# Altium PCB CL-AHU-V1.1.pcbdoc (part 1 of 5)
Units mil, origin at the board's own origin, x right, y up, seen from the top; angles counter-clockwise.
Board outline 12846.15 x 9153.85 mil, 2 copper layers (TopLayer, BottomLayer); 143 components, 181 nets, 607 pads, 3157 vias.
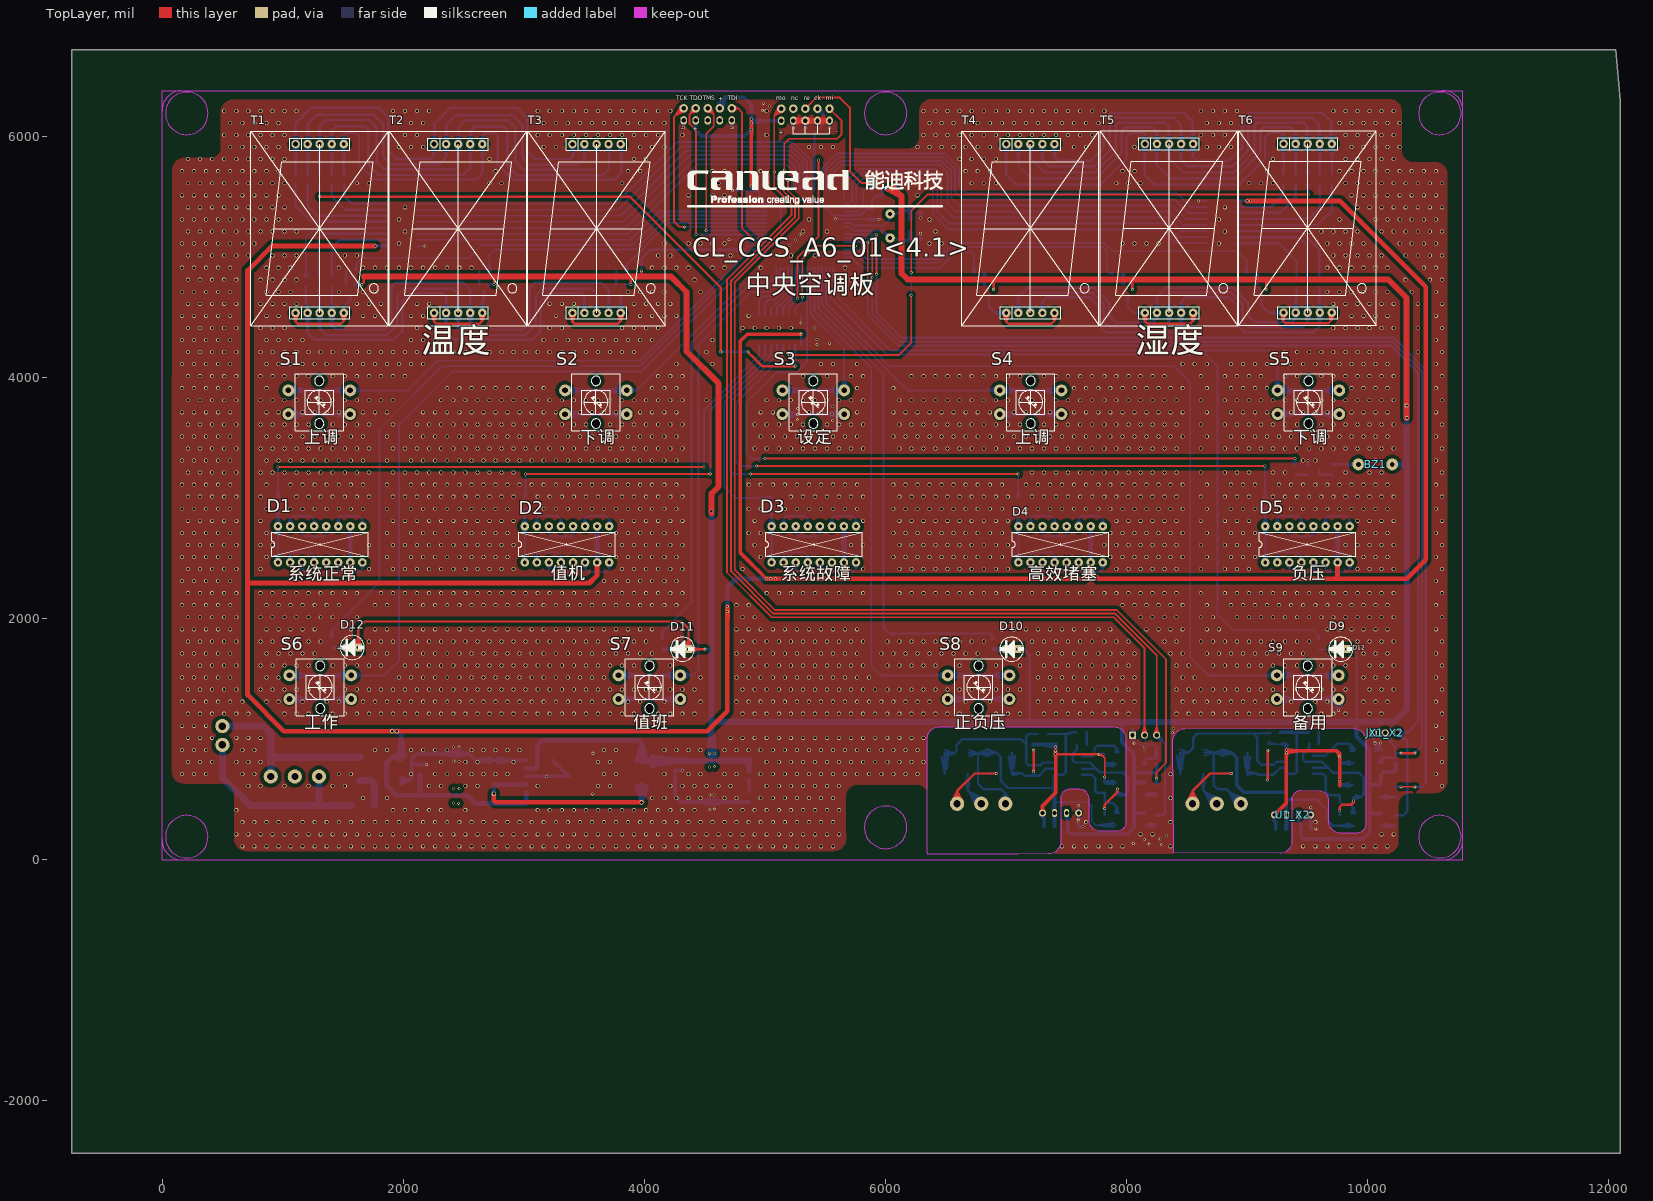
[diagram p0: TopLayer view]
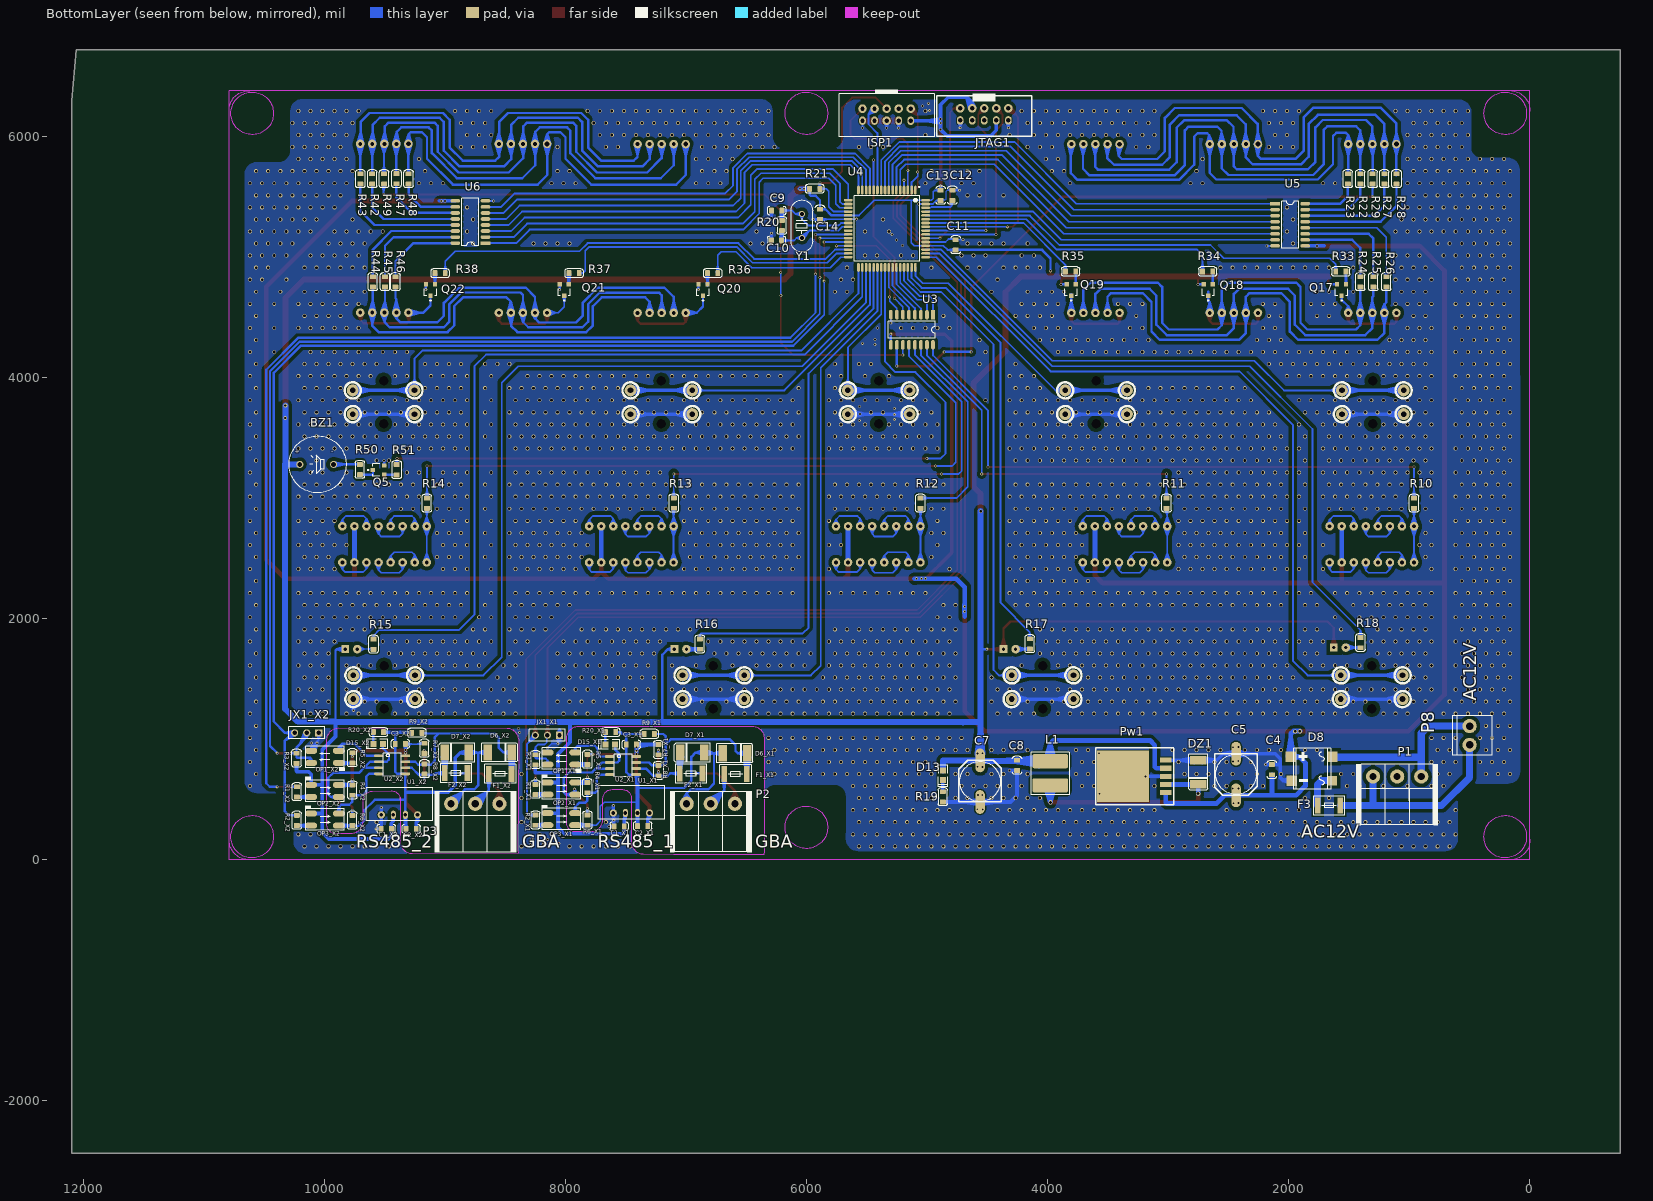
[diagram p1: BottomLayer view, seen from below]
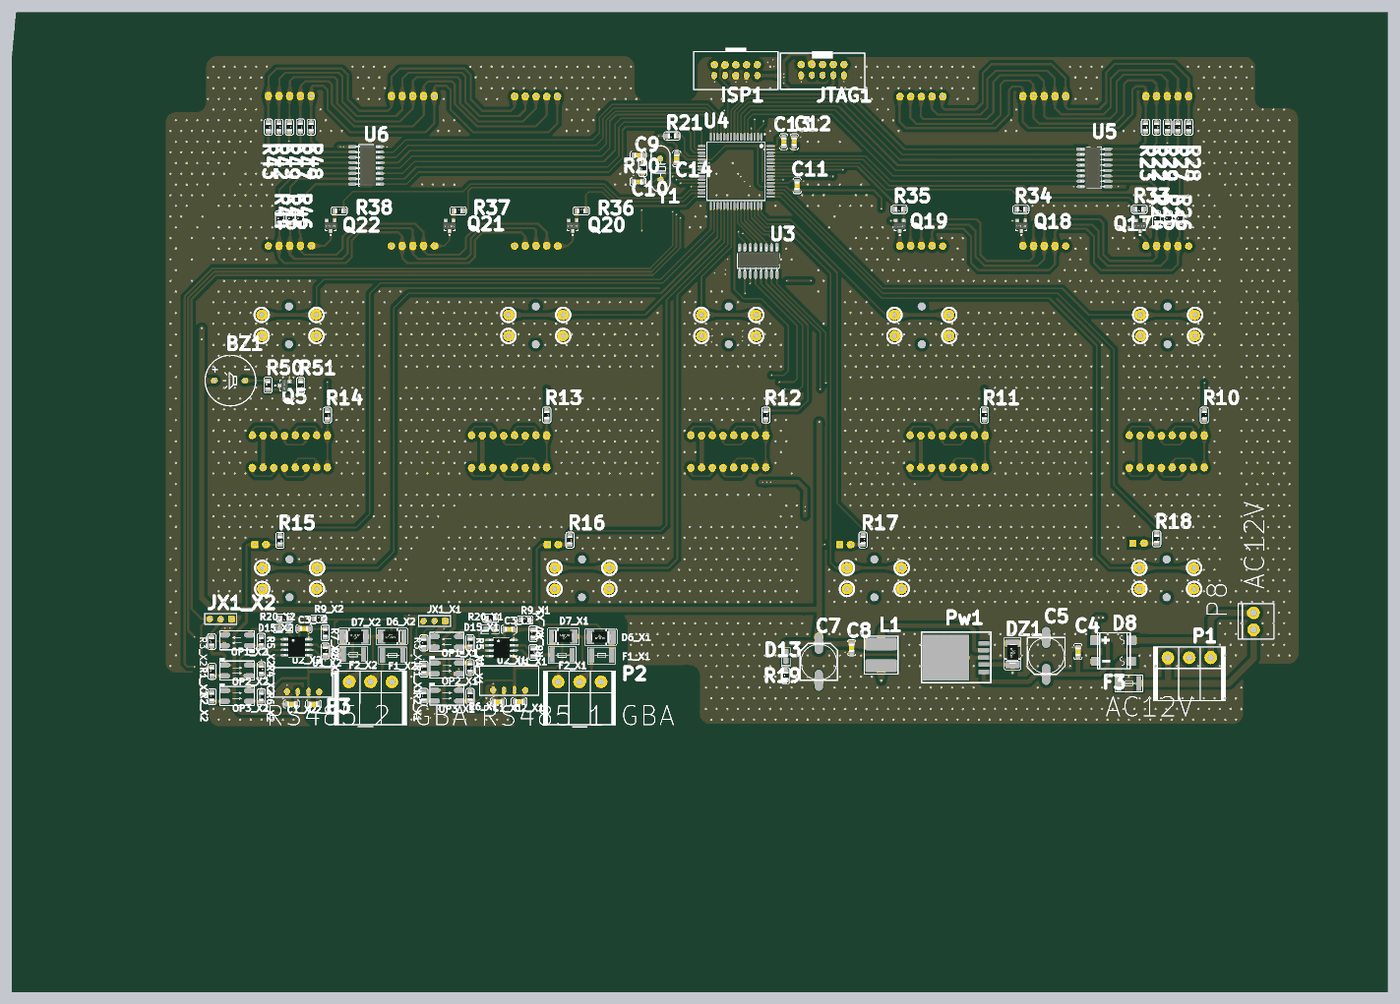
[diagram p6: 3D render of the assembled board from below, using the file's embedded part models]

## Layer stack, top to bottom
TopSolder: solder mask 0.4, Solder Resist, Dk 3.5
TopLayer: signal copper 1.4
Dielectric1: dielectric 12.6, FR-4, Dk 4.8
BottomLayer: signal copper 1.4
BottomSolder: solder mask 0.4, Solder Resist, Dk 3.5

## Board outline
12056.64,6718.92 -751.06,6718.92 -751.06,-2434.92 12095.1,-2434.92 12095.1,6295.84

## Design rules (kind name [scope] priority, off if disabled: settings)
Clearance Clearance_2 [All] p1 off: gap=7
Clearance Clearance_1 [All] p2: gap=30
Clearance [All] p3 off: gap=15
ComponentClearance [All] p1 off: gap=10 collisioncheckmode=3 verticalgap=10 showdistances=FALSE
FabricationTestPointUsage TestPointUsage [All] p1: valid=0 allowmultiple=FALSE
FabricationTestpoint Testpoint [(IsPad And (OnTopLayer Or OnBottomLayer))] p1: side=3 testpointundercomponent=TRUE minsize=40 maxsize=100 preferedsize=60 minholesize=20 maxholesize=40 preferedholesize=32 testpointgrid=1 allowsidetop=TRUE allowsidebottom=TRUE usegrid=TRUE gridtolerance=0.01
PolygonConnect PolygonConnect_1 [All vs (InPadClass('All Pads'))] p1: connectstyle=NoConnect reliefconductorwidth=10 reliefentries=4 polygonreliefangle="90 Angle" airgapwidth=10
PolygonConnect [All] p2: connectstyle=Direct reliefconductorwidth=10 reliefentries=4 polygonreliefangle="90 Angle" airgapwidth=10
RoomDefinition X2 [InComponentClass('X2')] p1: confinementstyle=ConfineIn formatcopy=TRUE lockcomponents=FALSE outline 10440.15,-74.18 10440.15,1124.51 8371.65,1124.51 8371.65,-74.18
RoomDefinition CL-AHU-V1.1 [InComponentClass('CL-AHU-V1.1')] p2: confinementstyle=ConfineIn formatcopy=TRUE lockcomponents=FALSE outline 12140.1,-1554.74 42025.42,-1554.74 42025.42,1138.49 12140.1,1138.49
RoomDefinition X1 [InComponentClass('X1')] p3: confinementstyle=ConfineIn formatcopy=TRUE lockcomponents=FALSE outline 8357.97,-73.93 8357.97,1126.43 6288.36,1126.43 6288.36,-73.93
RoutingVias [All] p1: holewidth=15 width=24 viastyle="Through Hole" minholewidth=15 minwidth=24 maxholewidth=15 maxwidth=24
SilkToSolderMaskClearance SilkscreenOverComponentPads [IsPad] p1: minsilkscreentomaskgap=10 clearancetoexposedcopper=TRUE
SolderMaskExpansion [All] p1: expansion=4
Width [All] p1: maxlimit=300 minlimit=8 preferedwidth=30 minimp=50.000000 maximp=50.000000 favimp=50.000000
25 further rules are at their usual default settings.

## Classes and differential pairs
component class X1: C1_X1 C2_X1 C3_X1 D6_X1 D7_X1 D15_X1 F1_X1 F2_X1 JX1_X1 OP1_X1 OP2_X1 OP3_X1 R1_X1 R2_X1 R3_X1 R4_X1 R5_X1 R6_X1 R7_X1 R8_X1 R9_X1 R20_X1 U1_X1 U2_X1
component class X2: C1_X2 C2_X2 C3_X2 D6_X2 D7_X2 D15_X2 F1_X2 F2_X2 JX1_X2 OP1_X2 OP2_X2 OP3_X2 R1_X2 R2_X2 R3_X2 R4_X2 R5_X2 R6_X2 R7_X2 R8_X2 R9_X2 R20_X2 U1_X2 U2_X2
channel class 485: X1 X2 X3 X4 X5
component class CL-AHU-V1.1: BZ1 C4 C5 C7 C8 C9 C10 C11 C12 C13 C14 D1 D2 D3 D4 D5 D8 D9 D10 D11 D12 D13 DZ1 F3 ISP1 JTAG1 L1 P1 P2 P3 P8 Pw1 Q5 Q17 Q18 Q19 Q20 Q21 Q22 R10 R11 R12 R13 R14 R15 R16 R17 R18 R19 R20 R21 R22 R23 R24 R25 R26 R27 R28 R29 R33 R34 R35 R36 R37 R38 R42 R43 R44 R45 R46 R47 R48 R49 R50 R51 S1 S2 S3 S4 S5 S6 S7 S8 S9 T1 T2 T3 T4 T5 T6 U3 U4 U5 U6 Y1

## Components (designator, comment, footprint, x,y, rotation, side; value= is the part's Value field where it differs from the comment)
BZ1 "有源蜂鸣器" SPK 10202.3,3279.03 r0 top
C1_X1 "104" C0805#1 7554.4,276 r180 bottom (schematic designator C1)
C1_X2 "104" C0805#2 9485.35,256.09 r180 top (schematic designator C1)
C2_X1 "104" C0805#1 7359.05,278.7 r180 bottom (schematic designator C2)
C2_X2 "104" C0805#2 9279.05,254.7 r180 top (schematic designator C2)
C3_X1 "104" C0805#1 7452.76,954.89 r180 bottom (schematic designator C3)
C3_X2 "104" C0805#2 9368.24,960.02 r180 top (schematic designator C3)
C4 "104" C0805#1 2139.79,746.47 r90 bottom
C5 "1000U/35V" 铝电解电容 2436.67,708.78 r0 bottom
C7 "1000uf/25V" 铝电解电容 4560.12,648.42 r180 bottom
C8 "104" C0805#1 4253.45,782.19 r270 bottom
C9 "15P" C0805#1 6246.54,5383.54 r0 bottom
C10 "15P" C0805#1 6248.33,5135.33 r0 bottom
C11 "104" C0805#1 4762.25,5099.89 r90 bottom
C12 "104" C0805#1 4789.46,5510.26 r90 bottom
C13 "104" c0805 4886.83,5510.43 r270 bottom
C14 "104" c0805 5887.39,5352.84 r270 bottom
D1 "系统正常" PLED 1310.47,2615.2 r0 top locked
D2 "值机" PLED 3357.72,2615.2 r0 top locked
D3 "系统故障" PLED 5404.96,2615.2 r0 top locked
D4 "高效堵塞" PLED 7452.2,2615.2 r0 top locked
D5 "负压" PLED 9499.45,2615.2 r0 top locked
D6_X1 "SMBJ6.8" SMBJ_SMT#1 6592.55,883.11 r180 bottom (schematic designator D6)
D6_X2 "SMBJ6.8" SMBJ_SMT#2 8545.01,888.92 r180 top (schematic designator D6)
D7_X1 "SMBJ6.8" SMBJ_SMT#1 6947.22,888.28 r0 bottom (schematic designator D7)
D7_X2 "SMBJ6.8" SMBJ_SMT#2 8900.53,888.04 r0 top (schematic designator D7)
D8 "DB207S" Brg 1810.03,754.53 r0 bottom
D9 "LED" LED 9776.26,1746.24 r90 top locked
D10 "LED" LED 7045.94,1746.24 r90 top locked
D11 "LED" LED 4315.63,1746.24 r90 top locked
D12 "LED" LED 1576.83,1759.81 r90 top locked
D13 "LED" LED0805#1 4868.26,741.12 r90 bottom
D15_X1 "LED" LED0805#1 7587.37,954.89 r180 bottom (schematic designator D15)
D15_X2 "LED" LED0805#2 9513.21,960.03 r180 top (schematic designator D15)
DZ1 "SS36/60V" SMBJ_SMT#1 2750.37,724.64 r270 bottom
F1_X1 "X14" PPTC_SMT#1 6588.55,709.62 r180 bottom (schematic designator F1)
F1_X2 "X14" PPTC_SMT#2 8540.35,710.89 r180 top (schematic designator F1)
F2_X1 "X14" PPTC_SMT#1 6957.44,713.29 r0 bottom (schematic designator F2)
F2_X2 "X14" PPTC_SMT#2 8906.04,717.75 r0 top (schematic designator F2)
F3 "X15" PPTC_SMT#1 1665.76,449.15 r0 bottom
ISP1 "JTAG" FC10 5335.23,6179.45 r180 bottom locked
JTAG1 "JTAG" "FC J" 4725.13,6131.85 r180 bottom
JX1_X1 "Header 3" HDR1X3 8048.95,1032.43 r0 bottom (schematic designator JX1)
JX1_X2 "Header 3" HDR1X3 10045,1052.02 r0 top (schematic designator JX1)
L1 "330uH" CD75 3978.12,713.86 r0 bottom
OP1_X1 "EL817" PS2701#1 8032.93,838.61 r0 bottom (schematic designator OP1)
OP1_X2 "EL817" PS2701#2 9993.39,852.51 r0 top (schematic designator OP1)
OP2_X1 "EL817" PS2701#1 8032.93,589.81 r180 bottom (schematic designator OP2)
OP2_X2 "EL817" PS2701#2 9993.39,569.91 r180 top (schematic designator OP2)
OP3_X1 "EL817" PS2701#1 8032.93,335.9 r180 bottom (schematic designator OP3)
OP3_X2 "EL817" PS2701#2 9993.39,332.59 r180 top (schematic designator OP3)
P1 "power" PL3Q 1100.13,689.54 r180 bottom
P2 "Header 3" PL3Q 6793.71,463.68 r180 bottom
P3 "Header 3" PL3Q 8747.02,463.43 r180 bottom
P8 "power" VH3.96-2 499.17,1029.86 r90 bottom
Pw1 "LM2596-5V" LM2575 3212.09,691.18 r90 bottom
Q5 "8050" SOT23 9549.29,3231.7 r90 bottom
Q17 "8550" SOT23 1561.13,4724.98 r0 bottom
Q18 "8550" SOT23 2667.9,4724.98 r0 bottom
Q19 "8550" SOT23 3804.32,4724.98 r0 bottom
Q20 "8550" SOT23 6857.9,4724.98 r0 bottom
Q21 "8550" SOT23 8008.78,4724.98 r0 bottom
Q22 "8550" SOT23 9118.15,4724.98 r0 bottom
R1_X1 "470" 0805R#1 8248.31,582.31 r90 bottom (schematic designator R1)
R1_X2 "470" 0805R#2 10226.91,562.04 r90 top (schematic designator R1)
R2_X1 "470" 0805R#1 8248.31,328.4 r90 bottom (schematic designator R2)
R2_X2 "470" 0805R#2 10227.57,325.08 r90 top (schematic designator R2)
R3_X1 "1K" 0805R#1 8248.37,828.48 r90 bottom (schematic designator R3)
R3_X2 "1K" 0805R#2 10229.69,840.83 r90 top (schematic designator R3)
R4_X1 "1K" 0805R#1 7817.55,597.31 r270 bottom (schematic designator R4)
R4_X2 "1K" 0805R#2 9766.55,576.72 r270 top (schematic designator R4)
R5_X1 "1K" 0805R#1 7817.55,831.11 r90 bottom (schematic designator R5)
R5_X2 "1K" 0805R#2 9766.91,843.62 r90 top (schematic designator R5)
R6_X1 "30K" 0805R#1 7817.55,328.4 r90 bottom (schematic designator R6)
R6_X2 "30K" 0805R#2 9766.91,325.08 r90 top (schematic designator R6)
R7_X1 "3K" 0805R#1 7229.05,912.61 r90 bottom (schematic designator R7)
R7_X2 "3K" 0805R#2 9169.95,922.42 r90 top (schematic designator R7)
R8_X1 "10K?" 0805R#1 7227.75,739.16 r270 bottom (schematic designator R8)
R8_X2 "10K?" 0805R#2 9168.56,752.35 r270 top (schematic designator R8)
R9_X1 "3K" 0805R#1 7303.91,1042.46 r180 bottom (schematic designator R9)
R9_X2 "3K" 0805R#2 9232.33,1052.02 r180 top (schematic designator R9)
R10 "5.1K" 0805r 960,2956.39 r270 bottom
R11 "5.1K" 0805r 3013.17,2956.39 r270 bottom
R12 "5.1K" 0805r 5054.49,2956.39 r270 bottom
R13 "5.1K" 0805r 7100.13,2956.81 r270 bottom
R14 "5.1K" 0805r 9148.51,2956.39 r270 bottom
R15 "3K" 0805R#1 9591.26,1786.63 r270 bottom
R16 "3K" 0805R#1 6884.3,1788.45 r270 bottom
R17 "3K" 0805R#1 4147.3,1789.36 r270 bottom
R18 "3K" 0805R#1 1404.38,1800.29 r270 bottom
R19 "3K" 0805R#1 4868.92,520.97 r90 bottom
R20 "1M" 0805R#1 6204.47,5260.17 r90 bottom
R20_X1 "1K" 0805R#1 7625.03,1057.61 r0 bottom (schematic designator R20)
R20_X2 "1K" 0805R#2 9549.99,1057.61 r0 top (schematic designator R20)
R21 "10K" 0805R#1 5931.43,5564.54 r0 bottom
R22 "300" 0805R#1 1405.96,5646.62 r270 bottom
R23 "300" 0805R#1 1509.51,5646.62 r270 bottom
R24 "300" 0805R#1 1405.97,4792.76 r90 bottom
R25 "300" 0805R#1 1297.24,4792.76 r90 bottom
R26 "300" 0805R#1 1190.35,4792.76 r90 bottom
R27 "300" 0805R#1 1206.83,5646.62 r270 bottom
R28 "300" 0805R#1 1105.78,5646.62 r270 bottom
R29 "300" 0805R#1 1303.26,5646.62 r270 bottom
R33 "2K" 0805r 1567.56,4878.13 r0 bottom
R34 "2K" 0805r 2672.44,4878.14 r0 bottom
R35 "2K" 0805r 3809.54,4878.13 r0 bottom
R36 "2K" 0805r 6778.23,4864.4 r180 bottom
R37 "2K" 0805r 7927.74,4864.4 r180 bottom
R38 "2K" 0805r 9038.84,4864.4 r180 bottom
R42 "300" 0805R#1 9601.98,5646.62 r270 bottom
R43 "300" 0805R#1 9700.51,5647.14 r270 bottom
R44 "300" 0805R#1 9596.79,4792.76 r90 bottom
R45 "300" 0805R#1 9495.83,4792.76 r90 bottom
R46 "300" 0805R#1 9409.12,4792.76 r90 bottom
R47 "300" 0805R#1 9401,5648.39 r270 bottom
R48 "300" 0805R#1 9300.39,5646.62 r270 bottom
R49 "300" 0805R#1 9503.61,5646.62 r270 bottom
R50 "220" 0805r 9704.55,3236.2 r90 bottom
R51 "2K" 0805r 9398.55,3234.2 r270 bottom
S1 "上调" KEYL 1302.85,3794.72 r0 top locked
S2 "下调" KEYL 3598.13,3794.72 r0 top locked
S3 "设定" KEYL 5400.88,3794.72 r0 top locked
S4 "上调" KEYL 7203.64,3794.72 r0 top locked
S5 "下调" KEYL 9507.97,3794.72 r0 top locked
S6 "工作" KEYL 1311.51,1430.94 r0 top locked
S7 "值班" KEYL 4041.83,1430.94 r0 top locked
S8 "正负压" KEYL 6772.14,1430.94 r0 top locked
S9 "备用" KEYL 9502.46,1430.94 r0 top locked
T1 "DS1" LN12101B62B-2C 1306.3,5233.86 r0 top locked
T2 "DS2" LN12101B62B-2C 2454.72,5233.86 r0 top locked
T3 "DS3" LN12101B62B-2C 3602.76,5233.54 r0 top locked
T4 "DS4" LN12101B62B-2C 7201.26,5234.33 r0 top locked
T5 "DS6" LN12101B62B-2C 8351.57,5235.04 r0 top locked
T6 "DS5" LN12101B62B-2C 9501.5,5235.91 r0 top locked
U1_X1 "DCDC05" VScore 7601.55,387.31 r180 bottom (schematic designator U1)
U1_X2 "DCDC05" VScore 9526.52,371.7 r180 top (schematic designator U1)
U2_X1 "U485" SOP8#1 7520.52,780.8 r270 bottom (schematic designator U2)
U2_X2 "U485" SOP8#2 9436.52,787.18 r270 top (schematic designator U2)
U3 "2003" SOP-16 5125.55,4395.7 r0 bottom
U4 "ATMEGA128" ATMEGA128-64 5332.43,5233.6 r270 bottom locked
U5 "2003" SOP-16 1988.13,5266.4 r270 bottom
U6 "2003" SOP-16 8787.23,5289.33 r90 bottom
Y1 "8MHZ" XAL2 6038.01,5356.49 r270 bottom

## Footprints (in the part's own frame and the unit in brackets; to place one, negate y for a bottom-side part, rotate by r counter-clockwise, add the part's x,y. Pads: shape width x height; smd on the part's side, far side on the other; paste and mask are expansions set on the pad)
0805R#1 [mil]
  rrect30% 40x50 smd: 1(-42.5,0) 2(42.5,0)
  silkscreen extent -75,-38 75,38, body extent -39,-25 39,25, height 30
0805R#2 [mil]
  rrect30% 40x50 smd far side: 1(-42.5,0) 2(42.5,0)
  body extent -39,-25 40,25, height 30
0805r [mil]
  rrect30% 40x50 smd: 1(-42.5,0) 2(42.5,0)
  silkscreen extent -75,-38 75,38, body extent -39,-25 40,25, height 30
ATMEGA128-64 [mm]
  oval 1.85x0.55 smd: 1(-8.15,6) 2(-8.15,5.2) 3(-8.15,4.4) 4(-8.15,3.6) 5(-8.15,2.8) 6(-8.15,2) 7(-8.15,1.2) 8(-8.15,0.4) 9(-8.15,-0.4) 10(-8.15,-1.2) 11(-8.15,-2) 12(-8.15,-2.8) 13(-8.15,-3.6) 14(-8.15,-4.4) 15(-8.15,-5.2) 16(-8.15,-6) 33(8.15,-6) 34(8.15,-5.2) 35(8.15,-4.4) 36(8.15,-3.6) 37(8.15,-2.8) 38(8.15,-2) 39(8.15,-1.2) 40(8.15,-0.4) 41(8.15,0.4) 42(8.15,1.2) 43(8.15,2) 44(8.15,2.8) 45(8.15,3.6) 46(8.15,4.4) 47(8.15,5.2) 48(8.15,6)
  oval 0.55x1.85 smd: 17(-6,-8.15) 18(-5.2,-8.15) 19(-4.4,-8.15) 20(-3.6,-8.15) 21(-2.8,-8.15) 22(-2,-8.15) 23(-1.2,-8.15) 24(-0.4,-8.15) 25(0.4,-8.15) 26(1.2,-8.15) 27(2,-8.15) 28(2.8,-8.15) 29(3.6,-8.15) 30(4.4,-8.15) 31(5.2,-8.15) 32(6,-8.15) 49(6,8.15) 50(5.2,8.15) 51(4.4,8.15) 52(3.6,8.15) 53(2.8,8.15) 54(2,8.15) 55(1.2,8.15) 56(0.4,8.15) 57(-0.4,8.15) 58(-1.2,8.15) 59(-2,8.15) 60(-2.8,8.15) 61(-3.6,8.15) 62(-4.4,8.15) 63(-5.2,8.15) 64(-6,8.15)
  silkscreen extent -8.92,-6.9 6.9,6.92
Brg [mm]
  rect 2x2 smd: 1(-4.375,2.5)
  rect 2.2x2.2 smd: 2(-4.375,-2.5) 3(4.375,-2.5) 4(4.225,2.5)
  silkscreen extent -4,-4.3 3.8,4.3, body extent -3.27,-4.3 3.8,4.3, height 7
C0805#1 [mil]
  rrect30% 40x50 smd: 1(-42.5,0) 2(42.5,0)
  silkscreen extent -75,-38 75,38, body extent -39,-25 39,25, height 30
C0805#2 [mil]
  rrect30% 40x50 smd far side: 1(-42.5,0) 2(42.5,0)
  body extent -39,-25 39,25, height 30
c0805 [mil]
  rrect30% 40x50 smd: 1(-42.5,0) 2(42.5,0)
  silkscreen extent -75,-38 75,38, body extent -39,-25 39,25, height 30
CD75 [mm]
  rrect25% 7.5x3 smd: 1(0,2.5) 2(0,-2.625)
  silkscreen extent -4,-4.5 4,4.5
FC10 [mm]
  round 1.8 hole 0.914: 1(5.08,1.27) 3(2.54,1.27) 5(0,1.27) 6(0,-1.27) 7(-2.54,1.27) 9(-5.08,1.27)
  oval 1.397x1.8 hole 0.914: 2(5.08,-1.27) 4(2.54,-1.27) 8(-2.54,-1.27) 10(-5.08,-1.27)
  silkscreen extent -10,-4.61 10,5.32
"FC J" [mil]
  round 70.87 hole 36: 1(400,100) 3(300,100) 5(200,100) 7(100,100) 9(0,100)
  oval 55x70.87 hole 36: 2(400,0) 4(300,0) 6(200,0) 8(100,0) 10(0,0)
  silkscreen extent -194,-131 594,223
HDR1X3 [mm] "Connector; Header; 3 Position"
  rect 1.5x1.5 hole 0.9: 1(0,0)
  round 1.5 hole 0.9: 2(2.54,0) 3(5.08,0)
  silkscreen extent -1.27,-1.27 6.35,1.27
KEYL [mm]
  round 1.651 hole 2 unplated: 0(0,-4.5) 0(0,4.5)
  round 2.5 hole 1.2: 1(-6.506,-2.516) 1(6.494,-2.516) 2(-6.506,2.484) 2(6.494,2.484)
  silkscreen extent -5.08,-6 5.08,6